# Altium PCB PC104_M7_4L.PcbDoc (part 2 of 3)
Units mil, origin at the board's own origin, x right, y up, seen from the top; angles counter-clockwise.
Board outline 3550 x 3775.2 mil, 4 copper layers (Top Layer, Layer 1, Layer 2, Bottom Layer), stack 59.772 mil thick; 122 components, 127 nets, 614 pads, 468 vias.
Unrouted connection lines stored in the file: 7.
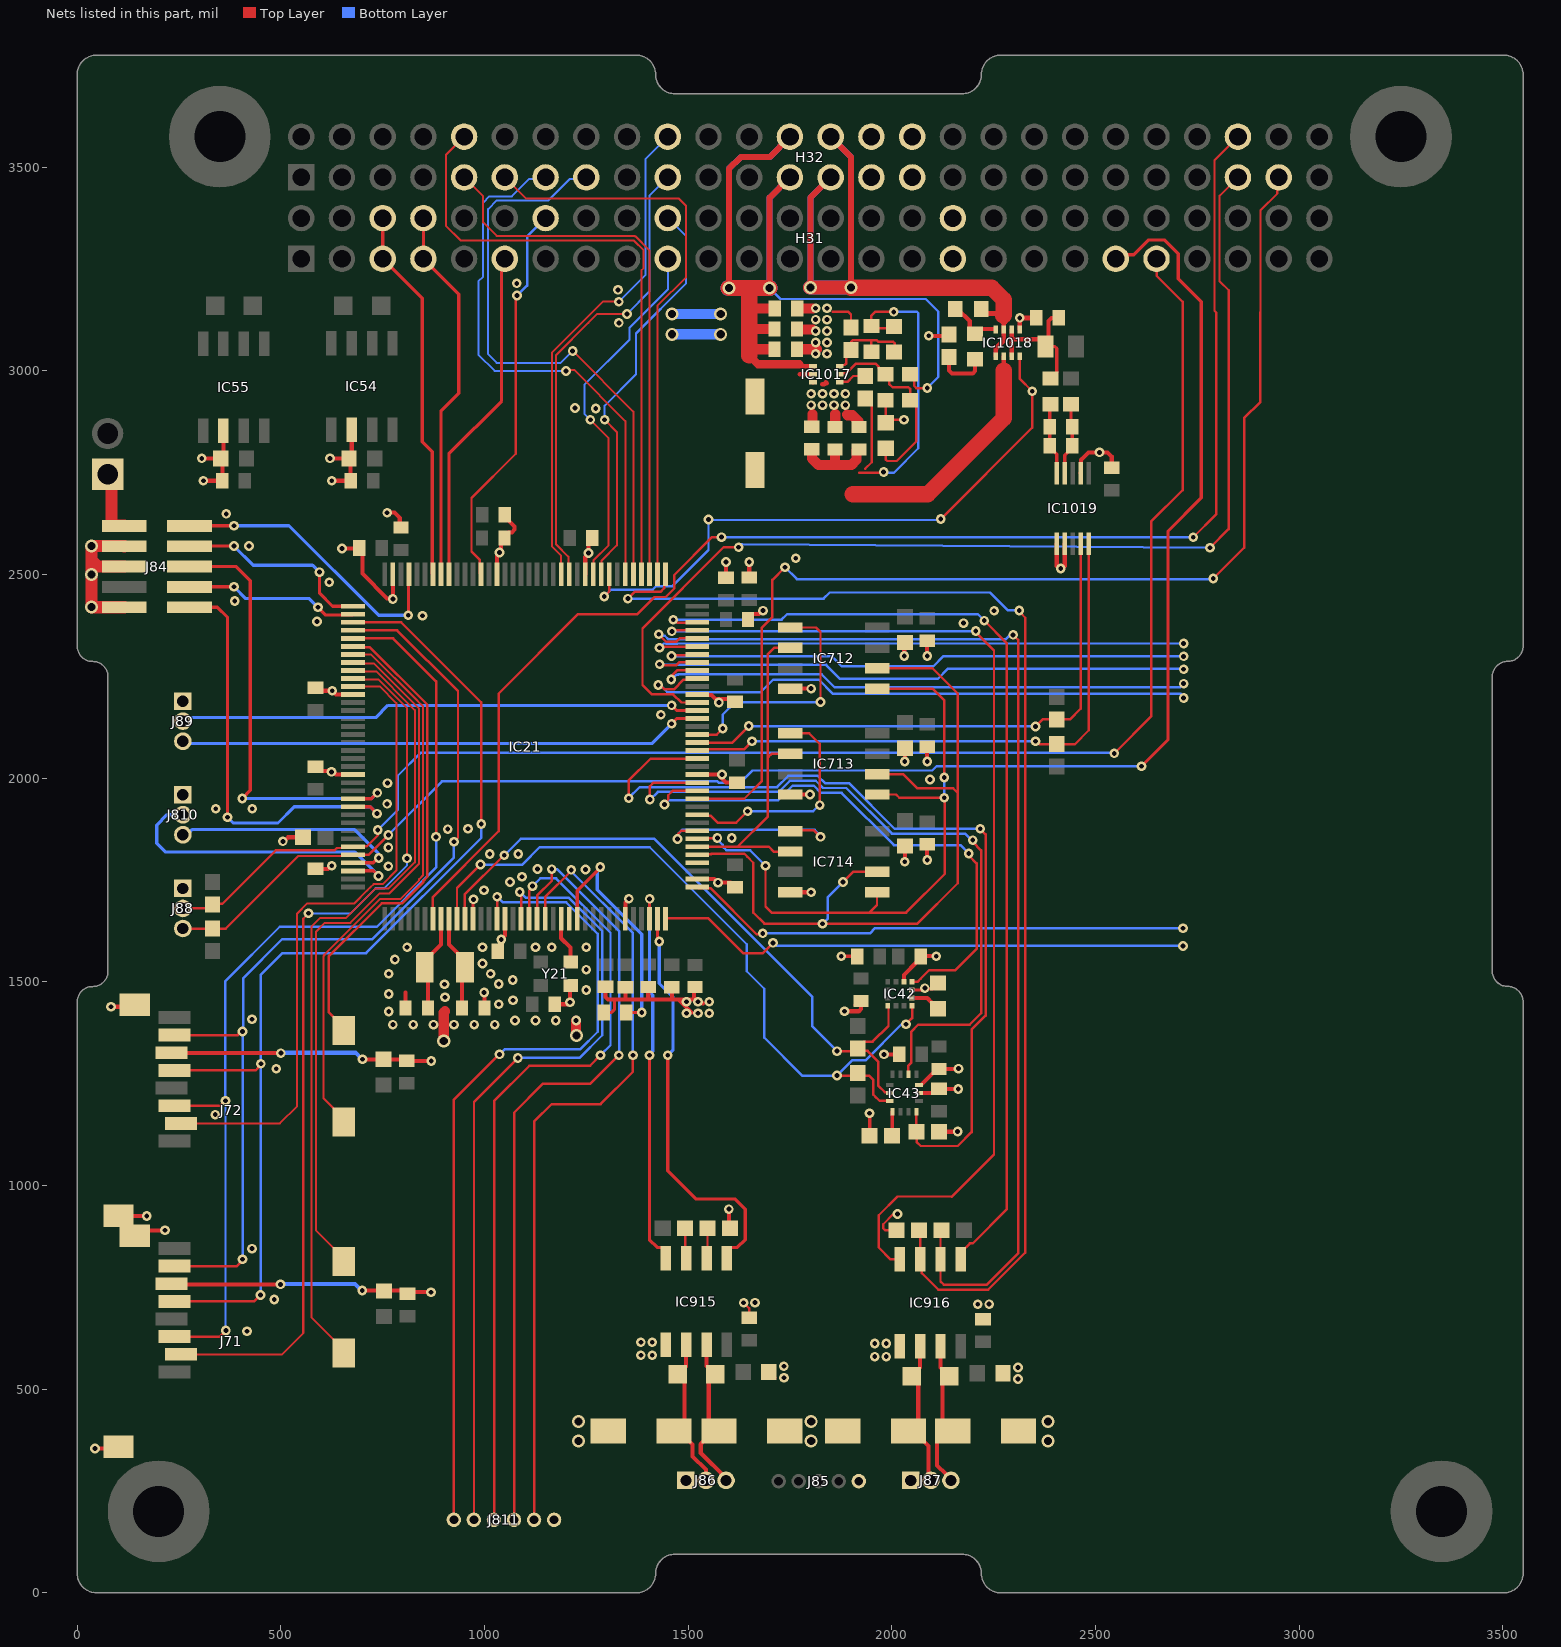
[diagram p4: the nets of this part, all layers, seen from the top]

## Via types
v1: diameter 23.82, hole 11.81, Top Layer to Bottom Layer, tented both sides, 433 vias
v2: diameter 32.01, hole 20, Top Layer to Bottom Layer, tented both sides, 35 vias

## Nets (pads, with @x,y where several pads share a name; then routed paths per layer and width w, separated by ;. In a path a pad name is that pad's centre, name@x,y a point inside that pad or via, vN(x,y) a via of type N, cw(c..) or ccw(c..) an arc to the next point about the centre after c; other vN are vias at no path point) (continued)
GND: C21.2 C22.2 C23.2 C24.2 C25.2 C26.2 C27.2 C28.2 C29.2 C210.2 C211.2 C212.2 C213.2 C214.2 C215.2 C216.2 C217.2 C218.2 C219.2 C220.2 C221.2 C222.2 C223.2 C224.2 C425.2 C426.2 C427.2 C428.2 C429.2 C430.2 C431.2 C532.2 C533.2 C534.2 C535.2 C750.2 C751.2 C752.2 C753.2 C754.2 C755.2 C756.2 C757.2 C758.2 C759.2 C960.2 C961.2 C962.2 C963.2 C1065.2 C1066.2 C1067.2 C1068.2 C1069.2 C1070.2 C1071.2 C1072.2 C1075.1 D91.1 D92.1 D93.1 D94.1 H31.33 H31.34 H32.29 H32.30 H32.31 H32.32 IC21.16 IC21.31 IC21.38 IC21.51 IC21.61 IC21.83 IC21.94 IC21.107 IC21.120 IC21.130 IC42.6 IC42.8 IC43.6 IC43.7 IC54.2 IC55.2 IC712.4 IC713.4 IC714.4 IC915.5 IC916.5 IC1017.3 IC1018.1 IC1019.1 IC1019.2 IC1019.7 J71.G1 J71.G2 J71.P6 J72.G1 J72.G2 J72.P6 J84.2 J84.6 J84.8 J85.5 J86.1 J87.1 J88.1 J89.1 J810.1 J811.6 R21.2 R48.2 R49.2 R913.2 R917.2 R1021.2 R1022.2 R1028.1 Y21.2 | length 6819.2
  Top Layer w6: v1(1636.25,712.13) 1650,698.38 C960.2@1650,675.56 ; 1855,3145 1893.49,3145 1899.93,3138.56 R1021.2@1899.93,3106.4 ; R1022.2@1985,2928.5 1985,2881.5 1986.5,2880 v1(2030,2880) ; R917.2@2012.06,890 1984,890 1982.02,891.98 1979,895 1979,905 2002.37,928.37 2012.37,928.37 v1(2014,930)
  Top Layer w8: C221.2@1292.44,1425 1312,1425 1319,1432 1319,1454.17 ; v1(1876,1563) 1914.28,1563 C426.2@1914.59,1562.69 ; v1(1945.41,1177.53) 1945.88,1177.06 R48.2@1945.88,1132 ; IC42.6@2049.37,1480.31 2074.39,1480.31 2078.65,1484.57 v1(2081.28,1484.57) ; v1@2083.27,1482.27 2099.14,1482.27 C428.2@2113.84,1496.97
  Top Layer w10: v1(43.55,354.25) 89.25,354.25 J71.G1@90,355 ; v1(82.92,1438.97) 128.62,1438.97 J72.G2@129.37,1439.72 ; J72.G1@125,925 v1(170.7,925) ; J71.G2@170,890 v1(215.7,890) ; J72.P6@231.3,1325.84 232.13,1325 v1(500,1325) ; J71.P6@232.36,758.22 233.36,757.22 v1(499.22,757.22) ; v1(305.86,2785.32) C535.2@352.56,2785.32 ; v1(309.79,2730.32) C534.2@356.5,2730.32 C535.2@356.5,2781.38 ; C535.2@359.06,2791.81 IC55.2@359.06,2853.58 ; v1(505,1845) 507.09,1845 517.09,1855 R21.2@554.88,1855 ; C27.2@575,1777.56 C27.2@585,1777.56 615.58,1777.56 623.02,1785 v1(625,1785) ; C25.2@586,2027.56 596.35,2017.21 620.9,2017.21 622.46,2015.65 v1(624.54,2015.65) ; C210.2@586,2224.41 595.56,2214.85 v1(626,2214.85) 626.2,2214.85 635.42,2205.63 IC21.120@677,2205.63 ; v1(620.86,2785.32) C533.2@667.56,2785.32 ; v1(624.79,2730.32) C532.2@671.5,2730.32 C533.2@671.5,2781.38 ; v1@626,2018 626.2,2018 635.42,2008.78 IC21.130@677,2008.78 ; v1(650,2564) 691.44,2564 C211.2@692.44,2565 700,2557.44 700,2502.55 761.08,2441.48 773.52,2441.48 v1(775,2440) IC21.107@774.95,2500.43 ; C533.2@674.06,2793.31 IC54.2@674.06,2855.09 ; v1(699.68,742.02) C757.2@751.39,742.02 ; v1(700.46,1309.8) C759.2@752.17,1309.8 ; C757.2@755.33,738.08 C757.2@751.39,742.02 ; C759.2@756.11,1305.86 C759.2@752.17,1309.8 ; v1(761,2652) 779,2652 791.98,2639.02 791.98,2618.14 C217.2@795,2615.12 ; C756.2@803.11,742.02 C757.2@751.39,742.02 ; C758.2@803.89,1309.8 C759.2@752.17,1309.8 ; 806,1474 806.44,1473.56 C223.2@806.44,1436 ; C756.2@808.39,738.08 v1(868.48,738.08) ; C758.2@809.17,1305.86 v1(869.26,1305.86) ; v1(999.12,1474) 999.56,1473.56 C224.2@999.56,1436 ; IC21.94@1030.86,2500.43 1030.86,2546.13 1036.64,2551.91 1036.64,2556.09 1040.08,2559.52 C219.2@1040.08,2581.87 ; C29.2@1031.76,1563.92 1041.32,1573.48 v1(1041.32,1603.92) 1041.32,1604.12 1050.54,1613.34 IC21.16@1050.54,1654.92 ; C219.2@1049,2590 1049,2593.74 1058.76,2603.5 1067.28,2603.5 1074.06,2610.28 1074.06,2618.57 1049.56,2643.06 C220.2@1049.56,2647 ; C222.2@1172.56,1445 1202.91,1445 1207.91,1450 v1(1210,1450) 1210,1490.04 Y21.2@1211.42,1491.46 ; IC21.83@1247.39,2500.43 1247.39,2543 1255.17,2550.78 v1(1255.17,2552.87) ; v1@1256.61,2551.47 v1(1255.17,2552.87) 1255.17,2580.43 C212.2@1266.17,2591.43 ; C26.2@1297,1487.44 1297,1463.02 1302.86,1457.17 1316,1457.17 ; 1319,1454.17 1316,1457.17 ; IC21.31@1345.82,1654.92 1345.82,1694.56 1354.45,1703.19 v1(1354.45,1703.99) ; C216.2@1346.02,1486.86 1346.02,1458.18 1345,1457.17 ; C215.2@1402.02,1487.42 1402.02,1459.18 1400,1457.17 ; C214.2@1460.02,1486.42 1460.02,1458.21 1458.97,1457.17 ; 1508.05,1425 1476.99,1456.06 1476.99,1457.17 ; 1513.99,1460 1513.99,1483.84 C213.2@1517.02,1486.86 ; IC21.38@1522.51,1752.87 1564.09,1752.87 1573.31,1743.65 v1(1573.51,1743.65) 1603.95,1743.65 C22.2@1613.51,1734.09 ; IC21.51@1522.51,2008.78 1572.94,2008.78 1580.91,2000.81 v1@1583,2000.81 ; IC21.61@1522.51,2205.63 1523.42,2204.72 1557.02,2204.72 1566.75,2195 v1@1575.27,2195 ; 1536.44,1446.48 1525.82,1457.1 1514.06,1457.1 1513.99,1457.17 1476.99,1457.17 ; v1(1575.49,2185.75) 1575.27,2185.97 v1@1575.27,2195 ; v1@1577.98,2003.74 1583,2008.76 v1(1583,2009.26) ; v1@1584.72,1998 1592.72,1990 C28.2@1613.51,1990 ; C24.2@1593,2492.56 v1(1593,2531) ; v1(1600,942) 1600,897.61 R913.2@1602.61,895 ; C23.2@1613.51,2186.85 1605.36,2195 v1@1575.27,2195 ; C218.2@1647.56,2391.24 1647.56,2393.74 1657.32,2403.5 1673.62,2403.5 1681.57,2411.45 v1(1683.65,2411.45) ; C21.2@1650,2492.56 v1(1650,2531) ; C961.2@1688.24,541.7 C961.2@1688.24,542 ; C961.2@1698.09,541.7 C961.2@1711.79,528 ; IC714.4@1750.27,1720 v1(1802,1720) ; IC713.4@1750.27,1960 v1(1799.38,1960) ; IC712.4@1750.27,2220 v1(1802,2220) ; v1(1884,1428) 1884.16,1427.84 1918.95,1427.84 1924.11,1433 C427.2@1924.11,1452.06 ; C427.2@1911.3,1442.99 1921.07,1452.76 C427.2@1924.81,1452.76 C427.2@1924.11,1452.06 ; C427.2@1918.95,1446.9 C427.2@1924.11,1452.06 ; v1(1981,1322) C429.2@2018.47,1322 ; IC42.8@2029.69,1500 2029.69,1517.3 2060.57,1548.18 2071.45,1559.06 C425.2@2071.45,1563 ; v1(2030.56,2300) 2030.56,2332.06 C751.2@2032,2333.5 ; v1(2032,1795.06) C755.2@2032,1833.5 ; v1(2032,2040.86) C753.2@2032,2073.5 ; IC43.6@2066.93,1227 2106,1227 C431.2@2116,1237 v1(2163,1237) ; IC43.7@2066.93,1246.69 2071.2,1246.69 2100.8,1276.29 2106.24,1276.29 C430.2@2116,1286.06 2116.47,1286.53 2163.53,1286.53 v1(2164,1287) ; C425.2@2070.93,1562.47 C425.2@2071.45,1563 ; v1(2087,1799) C754.2@2087,1837.44 ; v1(2087,2040.86) C752.2@2087,2077.44 ; v1(2087,2300) C750.2@2087,2337.44 ; v1(2090.55,3086.61) 2091.57,3085.59 R1028.1@2138.86,3085.59 ; v1(2109,1563) C425.2@2071.45,1563 ; R49.2@2116.12,1132 2161.17,1132 v1(2161.65,1132.47) ; R1028.1@2138.86,3089.37 R1028.1@2139.47,3089.37 ; IC1019.1@2405,2575.77 2405,2520.86 2410.86,2515 v1(2415,2515) 2419.14,2515 v1@2425,2520.86 ; IC1019.2@2424.68,2575.77 2424.68,2521.17 v1@2425,2520.86 ; 2425,2525 v1@2425,2520.86 ; IC1019.7@2464.05,2749 2464.96,2749.91 2464.96,2781.89 2483.07,2800 v1(2510,2800) 2530,2800 2540,2790 C1075.1@2540,2762.56 ; 1316,1457.17 1345,1457.17 ; 1345,1457.17 1400,1457.17 ; 1400,1457.17 1458.97,1457.17 ; 1458.97,1457.17 1476.99,1457.17
  Top Layer w11: IC1017.3@1805.62,2971.86 1806.03,2972.27 IC1017.3@1806.63,2972.27 ; 1829.67,2967 1834,2967 ; 1837.73,2972.27 1840,2970
  Top Layer w11.81: IC1018.1@2314.27,3101.83 v1(2314.27,3130.27) 2345.71,3130.27 C1072.2@2346.44,3131
  Top Layer w25: v2(900,1355) 900,1425 903,1428 ; v2@1225.04,1368.96 v1(1225,1405) ; C1069.2@1767.34,3053.25 v1@1816.75,3053.25 ; C1068.2@1767.34,3103.25 1768.64,3101.95 v1@1804.62,3101.95 ; C1070.2@1767.34,3153.25 v1@1806.75,3153.25 ; C1067.2@1803.8,2862.56 1805,2863.76 1805,2894 ; C1066.2@1860.36,2862.56 1861,2863.2 1861,2894 ; 1890,2893 1892,2891 1903.36,2891 1918,2876.36 1918,2863.92 C1065.2@1919.36,2862.56
  Top Layer w30: J84.2@115.35,2419.69 115.04,2420 v2(35,2420) v2(35,2500) 35,2535 ; J84.6@115.35,2519.69 114.92,2520.12 49.88,2520.12 35,2535 ; J84.8@115.35,2569.69 115.04,2570 v2(35,2570) 35,2535
  Bottom Layer w10: v1(499.22,757.22) 500.22,758.22 682.14,758.22 698.35,742.02 v1(699.68,742.02) ; v1(500,1325) 501,1326 682.92,1326 699.13,1309.8 v1(700.46,1309.8)
  Bottom Layer w25: v1(1225,1405) v1(1225,1405) ; v2@1225.04,1368.96 v2(1226,1368) ; v2(1460,3090) v2(1580,3090) ; v2(1460,3140) v2(1580,3140)
  other v1: 2310.09,525 1735.34,528 2309.84,553 1735.09,556 1958.37,579.85 1986.37,579.85 1384,583 1412,583 1958.37,611.85 1986.37,611.85 1384,615 1412,615 417,642 2211,708.57 2239,708.81 1664.25,712.37 484,720 429,845 339.14,1174 488.56,1286.59 775,1395 825,1395 875,1395 925,1395 975,1395 1025,1395 1075,1405 1125,1405 1175,1405 429.14,1408 1496,1423 1524,1423 1552,1423 765,1427 1035,1445 1496,1451 1524,1451 1552,1451 1070,1455 903,1462 765,1470 1250,1480 902,1494 1035,1495 1069.19,1504.59 765,1520 1015,1520 1250,1530 995,1545 780,1555 810,1585 995,1585 1125,1585 1165,1585 1250,1585 999,1725 1062.4,1745.23 1092,1758 1248,1776 1130,1777 764.06,1783.71 1013,1814 1082.96,1814.04 764.06,1830 1607,1853.12 910,1875 959.7,1875.73 340,1925 430,1925 761,1937 762,1988 2094,1997 1433,2155.96 2176,2380.86 589,2385 848,2399 2251.36,2411.36 387,2435 619,2481 1764,2540 1036.64,2554 422,2570 366,2649 1273,2908 1222,2909 1802,2916 1830,2916 1858,2916 1886,2916 1802,2944 1830,2944 1858,2944 1886,2944 1813,3042 1841,3042 1813,3070 1841,3070 1813,3098 1841,3098 1330,3118 1813,3126 1841,3126 1813,3154 1841,3154 1328,3199 1079,3215
  other v2: 1230.8,373 1802.16,373 2384,373 1230.8,421 1802.16,421 2384,421
I2C1_SCL: H31.43 IC21.139 J88.2 R23.2 | length 3813.3
  Top Layer w6: J88.2@259.24,1680.23 321.79,1680.23 R23.2@332,1690.44 332.94,1691.38 356.19,1691.38 487.95,1823.14 631.91,1823.14 637.47,1828.71 674.1,1828.71 IC21.139@677,1831.61 678.41,1833.02 711.26,1833.02 737.99,1859.75 v1(738,1873) ; v1(2546.26,2061.02) 2636.81,2151.57 2636.81,2629.92 2714.04,2707.15 2714.04,3170 2650.32,3233.72 2650.32,3274.88 H31.43@2650,3275.2
  Bottom Layer w6: v1(738,1873) 787,1922 787,2006 843.72,2062.72 2544.57,2062.72 v1(2546.26,2061.02)
I2C1_SDA: H31.41 IC21.140 J88.3 R22.2 | length 4051.3
  Top Layer w6: J88.3@259.24,1631.02 259.69,1630.56 R22.2@332,1630.56 364.36,1630.56 542.83,1809.02 647.45,1809.02 674.09,1809.02 IC21.140@677,1811.93 715.41,1811.93 v1(764.06,1860.58)
  Top Layer w8: H31.41@2550,3275.2 2560.21,3285.41 2594.48,3285.41 2630.75,3321.68 2669.25,3321.68 2703.52,3287.41 2703.52,3226.48 2760,3170 2760,2688.15 2678.15,2606.3 2678.15,2094.49 v1(2613.19,2029.53)
  Bottom Layer w6: v1(764.06,1860.58) 764.06,1861.06 895.4,1992.4 1571.7,1992.4 1574.75,1989.35 1628.13,1989.35 1657.78,2019 2099.32,2019 2109.85,2029.53 v1(2613.19,2029.53)
I2C2_SCL: IC21.11 IC42.1 IC43.13 R25.2 | length 1653.4
  Top Layer w6: IC21.11@952.12,1654.92 951.07,1655.97 951.07,1714.07 1048,1811 v1(1048.64,1811) ; v1(1865.44,1330) 1910,1330 R25.2@1916.44,1336.44 R25.2@1922.51,1330.37 ; IC42.1@1990.32,1440.94 1992,1439.26 1992,1392.09 1953.04,1353.13 1932.14,1353.13 1922.51,1343.49 R25.2@1922.51,1330.37 ; IC43.13@1995.08,1227 1993.15,1228.92 1983.19,1228.92 1966.54,1245.57 1966.54,1304.46 1940.63,1330.37 R25.2@1922.51,1330.37
  Bottom Layer w6: v1(1048.64,1811) 1049,1811 1089,1851 1417,1851 1805,1463 1805,1390.44 v1(1865.44,1330)
I2C2_SDA: IC21.10 IC42.4 IC43.14 R24.2 | length 1846.7
  Top Layer w6: IC21.10@932.43,1654.92 932.43,1730.43 v1(990,1788) ; v1(1865.44,1270) 1909.88,1270 R24.2@1916.44,1276.56 1923,1270 1944,1270 1954.72,1259.28 1954.72,1222.96 1961.69,1216 1962,1216 1970,1208 1994.39,1208 IC43.14@1995.08,1207.32 ; v1(2035,1396) 2050,1411 2050,1440.31 IC42.4@2049.37,1440.94
  Bottom Layer w6: v1(990,1788) 1093,1788 1135.45,1830.45 1405.77,1830.45 1644,1592.22 1644,1526 1687,1483 1687,1363 1780,1270 v1(1865.44,1270) 1902.44,1307 1935.09,1307 2022.92,1394.83 2033.83,1394.83 v1(2035,1396)
I2C4_SCL: IC21.54 IC1019.5 R27.2 | length 1445.3
  Top Layer w6: IC21.54@1522.51,2067.84 1525.42,2070.74 1556.05,2070.74 1556.1,2070.79 1636.79,2070.79 v1(1657,2091) ; v1(2353,2091) 2354.37,2091 2362.37,2083 2404.44,2083 R27.2@2405,2083.56 2449.56,2083.56 2483.74,2117.74 IC1019.5@2483.74,2575.77
  Bottom Layer w6: v1(1657,2091) 1657.5,2090.5 v1@2351.5,2090.5
I2C4_SDA: IC21.55 IC1019.4 R26.2 | length 1381.7
  Top Layer w6: IC21.55@1522.51,2087.52 1608.52,2087.52 v1(1649,2128) ; v1(2353,2127) 2370.44,2144.44 R26.2@2405,2144.44 2437.44,2144.44 2464.05,2171.05 IC1019.4@2464.05,2575.77
  Bottom Layer w6: v1(1649,2128) 1649.5,2127.5 2352.5,2127.5 v1(2353,2127)
IMU_INT1: IC21.53 IC43.4 R49.1 | length 2165.3
  Top Layer w6: v1(1354,1951) 1354,1994 1408.15,2048.15 IC21.53@1522.51,2048.15 ; R49.1@2060.53,1132.47 IC43.4@2060.53,1181.23 ; R49.1@2061,1132 2061,1107 2071,1097 2162.09,1097 2196,1130.91 2196,1383.01 2230.32,1417.32 2230.32,1862.2 2217.14,1875.37 v1(2217.14,1876)
  Bottom Layer w6: v1(1354,1951) 1381.35,1978.35 1718.35,1978.35 1745.86,2005.86 1818.37,2005.86 1836.23,1988 1894.96,1988 2006.96,1876 v1(2217.14,1876)
IMU_INT2: IC21.50 IC43.9 | length 1757.1
  Top Layer w6: v1(1406,1947.55) 1406,1980.19 1414.9,1989.1 IC21.50@1522.51,1989.1 ; IC43.9@2040.84,1272.77 2040.84,1294.35 2047.36,1300.87 2047.36,1377.36 2065,1395 2191.49,1395 2219.32,1422.83 2219.32,1822.87 2199,1843.18 v1(2199,1848)
  Bottom Layer w6: v1(1406,1947.55) 1406.63,1947.55 1425.61,1966.54 1722.54,1966.54 1749.86,1993.86 1813.4,1993.86 1831.26,1976 1888.28,1976 2000.28,1864 2180,1864 2196,1848 v1(2199,1848)
JRST: IC21.134 J84.1 | length 1057.1
  Top Layer w8: J84.1@275.59,2419.69 344.31,2419.69 369,2395 v1(369,1904) ; IC21.134@677,1930.04 718.96,1930.04 v1(736,1913)
  Bottom Layer w8: v1(369,1904) 383,1890 493,1890 533,1930 719,1930 v1(736,1913)
JTCK-SWCLK: IC21.109 J84.7 | length 493.2
  Top Layer w8: J84.7@275.59,2569.69 275.91,2570 v1(385,2570) ; v1(595,2506) 595,2453.98 626.81,2422.17 IC21.109@677,2422.17
  Bottom Layer w8: v1(385,2570) 432,2523 578,2523 v1(595,2506)
JTDI: IC21.110 J84.3 | length 431.5
  Top Layer w8: J84.3@275.59,2469.69 275.91,2470 v1(385,2470) ; v1(591,2420) 591,2419.28 609.71,2400.57 675.1,2400.57 IC21.110@677,2402.48
  Bottom Layer w8: v1(385,2470) 414,2441 570,2441 v1(591,2420)
JTDO-SWO: IC21.133 J84.5 | length 1110.8
  Top Layer w8: J84.5@275.59,2519.69 390.31,2519.69 425,2485 425,1970 v1(405,1950) ; IC21.133@677,1949.72 677.14,1949.86 721.64,1949.86 735.78,1964 v1(737,1964)
  Bottom Layer w8: v1(405,1950) 721.5,1950 735.5,1964 v1(737,1964)
JTMS-SWDIO: IC21.105 J84.9 | length 731.6
  Top Layer w8: J84.9@275.59,2619.69 275.91,2620 v1(385,2620) ; v1(813,2400) 813.66,2400.66 813.66,2499.77 IC21.105@814.32,2500.43
  Bottom Layer w8: v1(385,2620) 520,2620 740,2400 v1(813,2400) v1@815,2400
MAG_INT: IC21.49 IC42.7 | length 1373
  Top Layer w6: v1(1442,1935.55) 1442,1938.72 1451.25,1947.97 1451.25,1958.25 1462.41,1969.41 IC21.49@1522.51,1969.41 ; IC42.7@2049.37,1500 2063.11,1500 2070.62,1507.51 2092.11,1529 2156.49,1529 2208.32,1580.83 2208.32,1790.97 2189.1,1810.19 v1(2189.1,1815)
  Bottom Layer w6: v1(1442,1935.55) 1442,1936.63 1451.37,1946 1721,1946 1756.86,1981.86 1808.43,1981.86 1826.29,1964 1877,1964 2005.21,1835.79 2168.32,1835.79 v1(2189.1,1815)
MCP_PWR: IC21.12 | length 48
  Top Layer w8: IC21.12@971.8,1654.92 971.8,1701.36 v1(972.93,1702.48)
NetC428_1: C428.1 IC42.5 | length 69.3
  Top Layer w10: IC42.5@2056.22,1460.71 2087.11,1460.71 2099.16,1448.66 2099.16,1447.68 2112.86,1433.98 C428.1@2113.84,1433.98
NetC644_1: 
NetC1064_2: C1064.2 IC1017.6 R1019.2 R1021.1 | length 223.9
  Top Layer w6: IC1017.6@1872.61,3011.64 1875.52,3014.54 1884.33,3014.54 1887.85,3018.06 R1021.1@1887.85,3039.2 ; R1021.1@1899.93,3051.28 1901,3052.35 1901,3072.33 1904.51,3075.84 1946.49,3075.84 ; R1019.2@1949.82,3047.34 1950,3047.52 1950,3072.33 1946.49,3075.84 ; C1064.2@2004.94,3046.16 2007,3048.22 2007,3068 2003.1,3071.9 1966.12,3071.9 1962.18,3075.84 1946.49,3075.84
NetC1071_1: C1071.1 IC1017.5 R1020.2 R1022.1 | length 504.3
  Top Layer w6: IC1017.5@1872.61,2991.95 1875.52,2994.86 1888.54,2994.86 1911.8,3018.12 1960.17,3018.12 1968.31,3009.98 1968.31,3006.21 1983.03,2991.5 R1022.1@1985,2991.5 1993.44,2983.06 1993.44,2968.29 2001.73,2960 2041.07,2960 2045,2956.07 R1020.2@2045,2928.5 2045.28,2928.5 2060,2913.79 2060,2840 2060,2826.73 2012.09,2778.82 1988.75,2778.82 1985.24,2782.34 C1071.1@1985.24,2810.04 ; C1071.1@1985,2793.51 1985,2810.04 C1071.1@1985,2818.5
NetC1072_1: C1072.1 IC1018.2 IC1018.7 R1023.2 R1024.2 | length 333
  Top Layer w8: R1023.2@2377.6,3060 2400.31,3060 2405,3055.31 2405,2995.21 2391.28,2981.5 R1024.2@2390,2981.5
  Top Layer w10: R1023.2@2384.84,3078.74 2384.84,3107.58 2384.66,3107.4 2384.66,3122.85 2391.73,3129.92 2409.45,3129.92 C1072.1@2410.43,3130.91
  Top Layer w11.81: IC1018.7@2294.58,3035.85 2294.58,3078 ; IC1018.2@2294.58,3101.83 2294.58,3078 ; R1023.2@2377,3080 2375,3078 2294.58,3078
NetC1073_1: C1073.1 C1074.1 IC1019.10 R1024.1 | length 177.3
  Top Layer w8: R1024.1@2390,2918.5 2388.12,2916.63 C1073.1@2388.12,2863.03 C1074.1@2388.12,2816.03 2388.12,2812.09 2405,2795.22 IC1019.10@2405,2749
NetC1073_2: C1073.2 C1074.2 IC1019.9 R1025.1 | length 178.5
  Top Layer w8: IC1019.9@2424.68,2749 2424.68,2793.54 2443.24,2812.09 C1074.2@2443.24,2816.03 C1073.2@2443.24,2863.03 2440,2866.27 R1025.1@2440,2918.5
NetIC43_1: IC43.1 R48.1 | length 49.4
  Top Layer w8: R48.1@2001,1132 2001.47,1132.47 IC43.1@2001.47,1181.23
NetIC915_2: IC915.2 R913.1 | length 74
  Top Layer w6: IC915.2@1545.25,821.88 1547.5,824.13 R913.1@1547.5,895
NetIC915_3: IC915.3 R914.1 | length 74.1
  Top Layer w6: R914.1@1492.81,895 1492.81,824.32 IC915.3@1495.25,821.88
NetIC1017_2: IC1017.2 L101.1 | length 32.6
  Top Layer w11: 1774.25,2991.52 1774.68,2991.95 IC1017.2@1806.63,2991.95
NetIC1017_4: IC1017.4 R1018.2 | length 68.7
  Top Layer w6: IC1017.4@1872.61,2972.27 1873.54,2973.2 1890.96,2973.2 1905.32,2987.56 R1018.2@1935,2987.56
NetIC1018_4: IC1018.4 R1026.2 R1027.2 | length 137.6
  Top Layer w10: R1026.2@2156.21,3152.43 2161.44,3152.43 2191.42,3122.45 2191.42,3104.66 R1027.2@2204.13,3091.94 ; R1027.2@2204.74,3091.95 2215.23,3102.44 IC1018.4@2254.61,3102.44
NetJ83_1: J83.1 J84.10 | length 161.7
  Top Layer w30: J83.1@74.8,2746.46 84,2737.26 84,2620.12 84.43,2619.69 J84.10@115.35,2619.69
NetR1027_1: R1027.1 R1028.2 | length 132
  Top Layer w10: R1028.2@2140.31,3034.25 2140.31,3001.42 2148.24,2993.5 2198.88,2993.5 2204.74,2999.35 R1027.1@2204.74,3028.35
NRST: C221.1 IC21.25 | length 594.3
  Top Layer w8: IC21.25@1227.71,1654.92 1227.71,1723.38 1284,1779.67 v1(1284,1782) ; C221.1@1347.56,1425 v1(1386.31,1425)
  Bottom Layer w8: v1(1284,1782) 1284,1779.41 1277.04,1772.46 1277.04,1725.87 1386.31,1616.6 v1(1386.31,1425)
PWR_ST: IC21.80 IC1018.8 | length 1514.4
  Top Layer w6: v1(1294,2446) 1294,2446.36 1306.45,2458.81 IC21.80@1306.45,2500.43 ; v1(2120.46,2636.46) 2345,2861 v1(2345,2950) 2314.63,2980.37 2314.63,3035.48 IC1018.8@2314.27,3035.85
  Bottom Layer w6: v1(1294,2446) 1310.86,2462.86 1412.86,2462.86 1421.86,2471.86 1461.86,2471.86 1550,2560 v1@1550,2634 ; v1(1550,2635) v1@1550,2634 ; v1(2120.46,2636.46) 2118.21,2634.21 2111.3,2634.21 2111.08,2634 v1@1550,2634
RCC_MCO_1: H31.11 IC21.100 | length 831.6
  Top Layer w8: IC21.100@912.75,2500.43 912.75,2796.75 1042,2926 1042,3267.2 H31.11@1050,3275.2
RCC_OSC32_IN: C223.1 IC21.8 Y22.1 | length 238.5
  Top Layer w10: C223.1@861.56,1436 861.56,1528.58 Y22.1@853.69,1536.44 853.69,1552.19 893.06,1591.56 IC21.8@893.06,1654.92
RCC_OSC32_OUT: C224.1 IC21.9 Y22.2 | length 238.4
  Top Layer w10: IC21.9@912.75,1654.92 912.75,1591.56 952.12,1552.19 Y22.2@952.12,1536.44 944.44,1528.76 C224.1@944.44,1436
RCC_OSC_IN: IC21.23 Y21.3 | length 115.9
  Top Layer w10: IC21.23@1188.34,1654.92 1188.34,1607.08 1211.42,1584 Y21.3@1211.42,1548.54
RCC_OSC_OUT: IC21.24
RS485_1_N: D91.2 IC915.6 J86.2 R912.2 | length 384.7
  Top Layer w10: D91.2@1465.25,397 1478.05,397 1511,364.05 1511,335 1543.79,302.21 J86.2@1543.79,276 ; D91.2@1490.63,400.15 1490.63,518.89 1474.37,535.15 1495.25,556.03 IC915.6@1495.25,608.42
RS485_1_P: D92.2 IC915.7 J86.3 R912.1 | length 396.4
  Top Layer w10: IC915.7@1545.57,608.1 1545.57,556.47 1566.89,535.15 1550.63,518.89 D92.2@1550.63,400.15 ; D92.2@1576.04,397 1563.24,397 1531,364.76 1531,343.28 1593,281.28 J86.3@1593,276
RS485_2_DE: IC21.73 IC916.3 R917.1 | length 3119.7
  Top Layer w6: v1(1352,2441) 1368.6,2457.6 1432.04,2457.6 1441.34,2466.89 1441.34,2497.53 IC21.73@1444.24,2500.43 ; R917.1@2067.18,890 2069.62,887.56 IC916.3@2069.62,818.73 2073.62,814.73 2073.62,784.92 2114.54,744 2236.41,744 2327.76,835.34 2327.76,2394.07 2318.04,2403.79 2313,2408.83 v1(2313,2412)
  Bottom Layer w6: v1(1352,2441) 1832.59,2441 1847.59,2456 2241,2456 2285,2412 v1(2313,2412)
RS485_2_N: D93.2 IC916.6 J87.2 R915.2 | length 374.9
  Top Layer w10: D93.2@2040.96,397 2053.76,397 2090,360.76 2090,282 J87.2@2096,276 ; D93.2@2065,397 2065,515.74 R915.2@2048.74,532 2069.62,552.88 IC916.6@2069.62,605.27
RS485_2_P: D94.2 IC916.7 J87.3 R915.1 | length 382
  Top Layer w10: IC916.7@2119.94,604.95 2119.94,553.32 R915.1@2141.26,532 2125,515.74 D94.2@2125,397 ; J87.3@2145.21,276 2132.65,288.56 2132.65,291.18 2111.24,312.6 2111.24,371.49 2136.75,397 D94.2@2149.54,397
RS485_2_RE: IC21.68 IC916.2 R916.1 | length 2862.3
  Top Layer w6: v1(1427.7,2353.3) 1446.35,2334.65 1470.47,2334.65 1479.24,2343.43 IC21.68@1522.51,2343.43 ; R916.1@2122.06,890 2119.62,887.56 IC916.2@2119.62,818.73 2119.62,764.38 2127.51,756.49 2233.34,756.49 2310.04,833.18 2310.04,2339.96 v1(2298,2352)
  Bottom Layer w6: v1(1427.7,2353.3) 1431.11,2349.89 1442.54,2349.89 1451.75,2340.67 1468.25,2340.67 1469.28,2341.71 2280.04,2341.71 2290.33,2352 v1(2298,2352)
RTC_OUT_ALARM: H32.48 IC21.7 | length 3536.4